# KiCad board Leopold Replacement.kicad_pcb (continued)
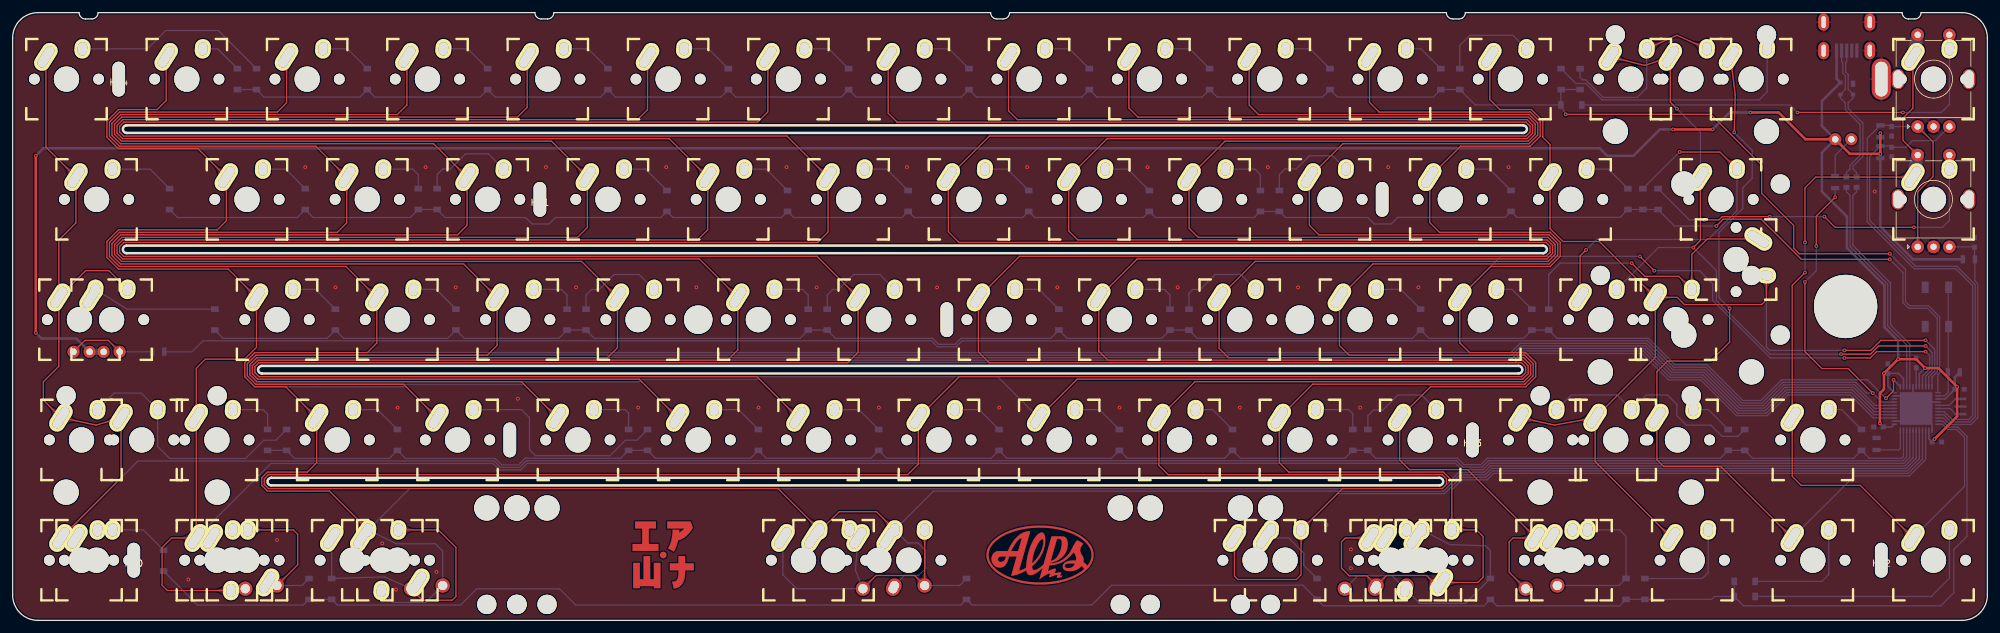
[diagram p0: board, top side]
## Copper pours and planes (outline as drawn; the poured copper is in the pictures) (continued)
Net-(D11-Pad2) on Bottom: 66.08,52.42 66,52.42 65.93,52.42 65.86,52.42 65.79,52.43 65.71,52.44 65.64,52.45 65.57,52.46 65.51,52.47 65.44,52.49 65.37,52.5 65.3,52.52 65.24,52.54 65.17,52.56 65.11,52.58 65.05,52.61 64.98,52.64 64.92,52.66 64.86,52.69 64.8,52.73 64.74,52.76 64.68,52.8 64.63,52.83 64.57,52.87 64.51,52.91 64.46,52.95 64.4,53 64.35,53.04 64.3,53.09 64.25,53.14 64.2,53.19 62.68,52.32 64.2,51.44 64.25,51.49 64.3,51.54 64.35,51.59 64.4,51.63 64.46,51.68 64.51,51.72 64.57,51.76 64.63,51.8 64.68,51.84 64.74,51.87 64.8,51.9 64.86,51.94 64.92,51.97 64.98,51.99 65.05,52.02 65.11,52.05 65.17,52.07 65.24,52.09 65.3,52.11 65.37,52.13 65.44,52.15 65.51,52.16 65.57,52.17 65.64,52.18 65.71,52.19 65.79,52.2 65.86,52.21 65.93,52.21 66,52.21 66.08,52.22
Net-(D12-Pad2) on Bottom: 56.57,33.41 56.5,33.41 56.43,33.41 56.35,33.41 56.28,33.42 56.21,33.43 56.14,33.44 56.07,33.45 56,33.46 55.93,33.48 55.86,33.49 55.8,33.51 55.73,33.53 55.67,33.55 55.6,33.57 55.54,33.6 55.48,33.63 55.42,33.65 55.36,33.68 55.3,33.72 55.24,33.75 55.18,33.79 55.12,33.82 55.06,33.86 55.01,33.9 54.95,33.94 54.9,33.99 54.85,34.03 54.79,34.08 54.74,34.13 54.69,34.18 53.17,33.31 54.69,32.43 54.74,32.48 54.79,32.53 54.85,32.58 54.9,32.62 54.95,32.67 55.01,32.71 55.06,32.75 55.12,32.79 55.18,32.83 55.24,32.86 55.3,32.89 55.36,32.93 55.42,32.96 55.48,32.98 55.54,33.01 55.6,33.04 55.67,33.06 55.73,33.08 55.8,33.1 55.86,33.12 55.93,33.14 56,33.15 56.07,33.16 56.14,33.17 56.21,33.18 56.28,33.19 56.35,33.2 56.43,33.2 56.5,33.2 56.57,33.21
Net-(D13-Pad2) on Bottom: 70.83,90.44 70.76,90.44 70.68,90.44 70.61,90.44 70.54,90.45 70.47,90.46 70.4,90.47 70.33,90.48 70.26,90.49 70.19,90.51 70.12,90.52 70.06,90.54 69.99,90.56 69.93,90.58 69.86,90.6 69.8,90.63 69.74,90.66 69.67,90.68 69.61,90.71 69.55,90.75 69.49,90.78 69.44,90.82 69.38,90.85 69.32,90.89 69.27,90.93 69.21,90.97 69.16,91.02 69.1,91.06 69.05,91.11 69,91.16 68.95,91.21 67.43,90.34 68.95,89.46 69,89.51 69.05,89.56 69.1,89.61 69.16,89.65 69.21,89.7 69.27,89.74 69.32,89.78 69.38,89.82 69.44,89.86 69.49,89.89 69.55,89.92 69.61,89.96 69.67,89.99 69.74,90.01 69.8,90.04 69.86,90.07 69.93,90.09 69.99,90.11 70.06,90.13 70.12,90.15 70.19,90.17 70.26,90.18 70.33,90.19 70.4,90.2 70.47,90.21 70.54,90.22 70.61,90.23 70.68,90.23 70.76,90.23 70.83,90.24
Net-(D14-Pad2) on Bottom: 75.53,73.22 75.58,73.16 75.63,73.11 75.68,73.06 75.72,73 75.77,72.94 75.81,72.89 75.85,72.83 75.89,72.77 75.93,72.71 75.97,72.66 76,72.6 76.03,72.54 76.06,72.47 76.09,72.41 76.12,72.35 76.14,72.29 76.17,72.22 76.19,72.16 76.21,72.09 76.23,72.03 76.24,71.96 76.26,71.9 76.27,71.83 76.28,71.76 76.29,71.69 76.3,71.62 76.3,71.55 76.31,71.48 76.31,71.41 76.31,71.34 78,70.88 77.55,72.58 77.48,72.58 77.4,72.58 77.33,72.58 77.26,72.59 77.19,72.59 77.13,72.6 77.06,72.61 76.99,72.63 76.92,72.64 76.86,72.66 76.79,72.68 76.73,72.7 76.66,72.72 76.6,72.74 76.53,72.77 76.47,72.79 76.41,72.82 76.35,72.85 76.29,72.88 76.23,72.92 76.17,72.95 76.11,72.99 76.05,73.03 76,73.07 75.94,73.12 75.88,73.16 75.83,73.21 75.77,73.26 75.72,73.31 75.67,73.36
Net-(D15-Pad2) on Bottom: 85.09,52.42 85.01,52.42 84.94,52.42 84.87,52.42 84.8,52.43 84.72,52.44 84.65,52.45 84.58,52.46 84.52,52.47 84.45,52.49 84.38,52.5 84.31,52.52 84.25,52.54 84.18,52.56 84.12,52.58 84.06,52.61 83.99,52.64 83.93,52.66 83.87,52.69 83.81,52.73 83.75,52.76 83.69,52.8 83.64,52.83 83.58,52.87 83.52,52.91 83.47,52.95 83.41,53 83.36,53.04 83.31,53.09 83.26,53.14 83.21,53.19 81.69,52.32 83.21,51.44 83.26,51.49 83.31,51.54 83.36,51.59 83.41,51.63 83.47,51.68 83.52,51.72 83.58,51.76 83.64,51.8 83.69,51.84 83.75,51.87 83.81,51.9 83.87,51.94 83.93,51.97 83.99,51.99 84.06,52.02 84.12,52.05 84.18,52.07 84.25,52.09 84.31,52.11 84.38,52.13 84.45,52.15 84.52,52.16 84.58,52.17 84.65,52.18 84.72,52.19 84.8,52.2 84.87,52.21 84.94,52.21 85.01,52.21 85.09,52.22
Net-(D16-Pad2) on Bottom: 75.58,33.41 75.51,33.41 75.44,33.41 75.36,33.41 75.29,33.42 75.22,33.43 75.15,33.44 75.08,33.45 75.01,33.46 74.94,33.48 74.87,33.49 74.81,33.51 74.74,33.53 74.68,33.55 74.61,33.57 74.55,33.6 74.49,33.63 74.43,33.65 74.37,33.68 74.31,33.72 74.25,33.75 74.19,33.79 74.13,33.82 74.07,33.86 74.02,33.9 73.96,33.94 73.91,33.99 73.86,34.03 73.8,34.08 73.75,34.13 73.7,34.18 72.18,33.31 73.7,32.43 73.75,32.48 73.8,32.53 73.86,32.58 73.91,32.62 73.96,32.67 74.02,32.71 74.07,32.75 74.13,32.79 74.19,32.83 74.25,32.86 74.31,32.89 74.37,32.93 74.43,32.96 74.49,32.98 74.55,33.01 74.61,33.04 74.68,33.06 74.74,33.08 74.81,33.1 74.87,33.12 74.94,33.14 75.01,33.15 75.08,33.16 75.15,33.17 75.22,33.18 75.29,33.19 75.36,33.2 75.44,33.2 75.51,33.2 75.58,33.21
Net-(D17-Pad2) on Bottom: 89.84,90.44 89.77,90.44 89.69,90.44 89.62,90.44 89.55,90.45 89.48,90.46 89.41,90.47 89.34,90.48 89.27,90.49 89.2,90.51 89.13,90.52 89.07,90.54 89,90.56 88.94,90.58 88.87,90.6 88.81,90.63 88.75,90.66 88.68,90.68 88.62,90.71 88.56,90.75 88.5,90.78 88.45,90.82 88.39,90.85 88.33,90.89 88.28,90.93 88.22,90.97 88.17,91.02 88.11,91.06 88.06,91.11 88.01,91.16 87.96,91.21 86.44,90.34 87.96,89.46 88.01,89.51 88.06,89.56 88.11,89.61 88.17,89.65 88.22,89.7 88.28,89.74 88.33,89.78 88.39,89.82 88.45,89.86 88.5,89.89 88.56,89.92 88.62,89.96 88.68,89.99 88.75,90.01 88.81,90.04 88.87,90.07 88.94,90.09 89,90.11 89.07,90.13 89.13,90.15 89.2,90.17 89.27,90.18 89.34,90.19 89.41,90.2 89.48,90.21 89.55,90.22 89.62,90.23 89.69,90.23 89.77,90.23 89.84,90.24
Net-(D18-Pad2) on Bottom: 99.35,71.43 99.27,71.43 99.2,71.43 99.13,71.43 99.05,71.44 98.98,71.45 98.91,71.46 98.84,71.47 98.77,71.48 98.7,71.5 98.64,71.51 98.57,71.53 98.51,71.55 98.44,71.57 98.38,71.59 98.31,71.62 98.25,71.65 98.19,71.67 98.13,71.7 98.07,71.74 98.01,71.77 97.95,71.81 97.89,71.84 97.84,71.88 97.78,71.92 97.73,71.96 97.67,72.01 97.62,72.05 97.57,72.1 97.51,72.15 97.46,72.2 95.94,71.33 97.46,70.45 97.51,70.5 97.57,70.55 97.62,70.6 97.67,70.64 97.73,70.69 97.78,70.73 97.84,70.77 97.89,70.81 97.95,70.85 98.01,70.88 98.07,70.91 98.13,70.95 98.19,70.98 98.25,71 98.31,71.03 98.38,71.06 98.44,71.08 98.51,71.1 98.57,71.12 98.64,71.14 98.7,71.16 98.77,71.17 98.84,71.18 98.91,71.19 98.98,71.2 99.05,71.21 99.13,71.22 99.2,71.22 99.27,71.22 99.35,71.23
Net-(D19-Pad2) on Bottom: 99.29,54.21 99.34,54.15 99.39,54.1 99.44,54.05 99.49,53.99 99.53,53.93 99.57,53.88 99.62,53.82 99.66,53.76 99.69,53.7 99.73,53.65 99.76,53.59 99.8,53.53 99.83,53.46 99.85,53.4 99.88,53.34 99.91,53.28 99.93,53.21 99.95,53.15 99.97,53.08 99.99,53.02 100.01,52.95 100.02,52.89 100.03,52.82 100.04,52.75 100.05,52.68 100.06,52.61 100.07,52.54 100.07,52.47 100.07,52.4 100.07,52.33 101.76,51.87 101.31,53.57 101.24,53.57 101.17,53.57 101.1,53.57 101.03,53.58 100.96,53.58 100.89,53.59 100.82,53.6 100.75,53.62 100.69,53.63 100.62,53.65 100.55,53.67 100.49,53.69 100.42,53.71 100.36,53.73 100.3,53.76 100.24,53.78 100.17,53.81 100.11,53.84 100.05,53.87 99.99,53.91 99.93,53.94 99.87,53.98 99.82,54.02 99.76,54.06 99.7,54.11 99.65,54.15 99.59,54.2 99.54,54.25 99.48,54.3 99.43,54.35
Net-(D20-Pad2) on Bottom: 94.59,33.41 94.52,33.41 94.45,33.41 94.37,33.41 94.3,33.42 94.23,33.43 94.16,33.44 94.09,33.45 94.02,33.46 93.95,33.48 93.88,33.49 93.82,33.51 93.75,33.53 93.69,33.55 93.62,33.57 93.56,33.6 93.5,33.63 93.44,33.65 93.38,33.68 93.32,33.72 93.26,33.75 93.2,33.79 93.14,33.82 93.08,33.86 93.03,33.9 92.97,33.94 92.92,33.99 92.87,34.03 92.81,34.08 92.76,34.13 92.71,34.18 91.19,33.31 92.71,32.43 92.76,32.48 92.81,32.53 92.87,32.58 92.92,32.62 92.97,32.67 93.03,32.71 93.08,32.75 93.14,32.79 93.2,32.83 93.26,32.86 93.32,32.89 93.38,32.93 93.44,32.96 93.5,32.98 93.56,33.01 93.62,33.04 93.69,33.06 93.75,33.08 93.82,33.1 93.88,33.12 93.95,33.14 94.02,33.15 94.09,33.16 94.16,33.17 94.23,33.18 94.3,33.19 94.37,33.2 94.45,33.2 94.52,33.2 94.59,33.21
Net-(D21-Pad2) on Bottom: 108.85,90.44 108.78,90.44 108.7,90.44 108.63,90.44 108.56,90.45 108.49,90.46 108.42,90.47 108.35,90.48 108.28,90.49 108.21,90.51 108.14,90.52 108.08,90.54 108.01,90.56 107.95,90.58 107.88,90.6 107.82,90.63 107.76,90.66 107.69,90.68 107.63,90.71 107.57,90.75 107.51,90.78 107.46,90.82 107.4,90.85 107.34,90.89 107.29,90.93 107.23,90.97 107.18,91.02 107.12,91.06 107.07,91.11 107.02,91.16 106.97,91.21 105.45,90.34 106.97,89.46 107.02,89.51 107.07,89.56 107.12,89.61 107.18,89.65 107.23,89.7 107.29,89.74 107.34,89.78 107.4,89.82 107.46,89.86 107.51,89.89 107.57,89.92 107.63,89.96 107.69,89.99 107.76,90.01 107.82,90.04 107.88,90.07 107.95,90.09 108.01,90.11 108.08,90.13 108.14,90.15 108.21,90.17 108.28,90.18 108.35,90.19 108.42,90.2 108.49,90.21 108.56,90.22 108.63,90.23 108.7,90.23 108.78,90.23 108.85,90.24
Net-(D22-Pad2) on Bottom: 118.36,71.43 118.28,71.43 118.21,71.43 118.14,71.43 118.06,71.44 117.99,71.45 117.92,71.46 117.85,71.47 117.78,71.48 117.71,71.5 117.65,71.51 117.58,71.53 117.52,71.55 117.45,71.57 117.39,71.59 117.32,71.62 117.26,71.65 117.2,71.67 117.14,71.7 117.08,71.74 117.02,71.77 116.96,71.81 116.9,71.84 116.85,71.88 116.79,71.92 116.74,71.96 116.68,72.01 116.63,72.05 116.58,72.1 116.52,72.15 116.47,72.2 114.95,71.33 116.47,70.45 116.52,70.5 116.58,70.55 116.63,70.6 116.68,70.64 116.74,70.69 116.79,70.73 116.85,70.77 116.9,70.81 116.96,70.85 117.02,70.88 117.08,70.91 117.14,70.95 117.2,70.98 117.26,71 117.32,71.03 117.39,71.06 117.45,71.08 117.52,71.1 117.58,71.12 117.65,71.14 117.71,71.16 117.78,71.17 117.85,71.18 117.92,71.19 117.99,71.2 118.06,71.21 118.14,71.22 118.21,71.22 118.28,71.22 118.36,71.23
Net-(D23-Pad2) on Bottom: 123.11,52.42 123.03,52.42 122.96,52.42 122.89,52.42 122.82,52.43 122.74,52.44 122.67,52.45 122.6,52.46 122.54,52.47 122.47,52.49 122.4,52.5 122.33,52.52 122.27,52.54 122.2,52.56 122.14,52.58 122.08,52.61 122.01,52.64 121.95,52.66 121.89,52.69 121.83,52.73 121.77,52.76 121.71,52.8 121.66,52.83 121.6,52.87 121.54,52.91 121.49,52.95 121.43,53 121.38,53.04 121.33,53.09 121.28,53.14 121.23,53.19 119.71,52.32 121.23,51.44 121.28,51.49 121.33,51.54 121.38,51.59 121.43,51.63 121.49,51.68 121.54,51.72 121.6,51.76 121.66,51.8 121.71,51.84 121.77,51.87 121.83,51.9 121.89,51.94 121.95,51.97 122.01,51.99 122.08,52.02 122.14,52.05 122.2,52.07 122.27,52.09 122.33,52.11 122.4,52.13 122.47,52.15 122.54,52.16 122.6,52.17 122.67,52.18 122.74,52.19 122.82,52.2 122.89,52.21 122.96,52.21 123.03,52.21 123.11,52.22
Net-(D24-Pad2) on Bottom: 113.6,33.41 113.53,33.41 113.46,33.41 113.38,33.41 113.31,33.42 113.24,33.43 113.17,33.44 113.1,33.45 113.03,33.46 112.96,33.48 112.89,33.49 112.83,33.51 112.76,33.53 112.7,33.55 112.63,33.57 112.57,33.6 112.51,33.63 112.45,33.65 112.39,33.68 112.33,33.72 112.27,33.75 112.21,33.79 112.15,33.82 112.09,33.86 112.04,33.9 111.98,33.94 111.93,33.99 111.88,34.03 111.82,34.08 111.77,34.13 111.72,34.18 110.2,33.31 111.72,32.43 111.77,32.48 111.82,32.53 111.88,32.58 111.93,32.62 111.98,32.67 112.04,32.71 112.09,32.75 112.15,32.79 112.21,32.83 112.27,32.86 112.33,32.89 112.39,32.93 112.45,32.96 112.51,32.98 112.57,33.01 112.63,33.04 112.7,33.06 112.76,33.08 112.83,33.1 112.89,33.12 112.96,33.14 113.03,33.15 113.1,33.16 113.17,33.17 113.24,33.18 113.31,33.19 113.38,33.2 113.46,33.2 113.53,33.2 113.6,33.21
Net-(D25-Pad2) on Bottom: 127.86,90.44 127.79,90.44 127.71,90.44 127.64,90.44 127.57,90.45 127.5,90.46 127.43,90.47 127.36,90.48 127.29,90.49 127.22,90.51 127.15,90.52 127.09,90.54 127.02,90.56 126.96,90.58 126.89,90.6 126.83,90.63 126.77,90.66 126.7,90.68 126.64,90.71 126.58,90.75 126.52,90.78 126.47,90.82 126.41,90.85 126.35,90.89 126.3,90.93 126.24,90.97 126.19,91.02 126.13,91.06 126.08,91.11 126.03,91.16 125.98,91.21 124.46,90.34 125.98,89.46 126.03,89.51 126.08,89.56 126.13,89.61 126.19,89.65 126.24,89.7 126.3,89.74 126.35,89.78 126.41,89.82 126.47,89.86 126.52,89.89 126.58,89.92 126.64,89.96 126.7,89.99 126.77,90.01 126.83,90.04 126.89,90.07 126.96,90.09 127.02,90.11 127.09,90.13 127.15,90.15 127.22,90.17 127.29,90.18 127.36,90.19 127.43,90.2 127.5,90.21 127.57,90.22 127.64,90.23 127.71,90.23 127.79,90.23 127.86,90.24
Net-(D26-Pad2) on Bottom: 137.37,71.43 137.29,71.43 137.22,71.43 137.15,71.43 137.07,71.44 137,71.45 136.93,71.46 136.86,71.47 136.79,71.48 136.72,71.5 136.66,71.51 136.59,71.53 136.53,71.55 136.46,71.57 136.4,71.59 136.33,71.62 136.27,71.65 136.21,71.67 136.15,71.7 136.09,71.74 136.03,71.77 135.97,71.81 135.91,71.84 135.86,71.88 135.8,71.92 135.75,71.96 135.69,72.01 135.64,72.05 135.59,72.1 135.53,72.15 135.48,72.2 133.97,71.33 135.48,70.45 135.53,70.5 135.59,70.55 135.64,70.6 135.69,70.64 135.75,70.69 135.8,70.73 135.86,70.77 135.91,70.81 135.97,70.85 136.03,70.88 136.09,70.91 136.15,70.95 136.21,70.98 136.27,71 136.33,71.03 136.4,71.06 136.46,71.08 136.53,71.1 136.59,71.12 136.66,71.14 136.72,71.16 136.79,71.17 136.86,71.18 136.93,71.19 137,71.2 137.07,71.21 137.15,71.22 137.22,71.22 137.29,71.22 137.37,71.23
Net-(D27-Pad2) on Bottom: 137.31,54.21 137.36,54.15 137.41,54.1 137.46,54.05 137.51,53.99 137.55,53.93 137.59,53.88 137.64,53.82 137.68,53.76 137.71,53.7 137.75,53.65 137.78,53.59 137.82,53.53 137.85,53.46 137.87,53.4 137.9,53.34 137.93,53.28 137.95,53.21 137.97,53.15 137.99,53.08 138.01,53.02 138.03,52.95 138.04,52.89 138.05,52.82 138.06,52.75 138.07,52.68 138.08,52.61 138.09,52.54 138.09,52.47 138.09,52.4 138.09,52.33 139.78,51.87 139.33,53.57 139.26,53.57 139.19,53.57 139.12,53.57 139.05,53.58 138.98,53.58 138.91,53.59 138.84,53.6 138.77,53.62 138.71,53.63 138.64,53.65 138.57,53.67 138.51,53.69 138.44,53.71 138.38,53.73 138.32,53.76 138.26,53.78 138.19,53.81 138.13,53.84 138.07,53.87 138.01,53.91 137.95,53.94 137.89,53.98 137.84,54.02 137.78,54.06 137.72,54.11 137.67,54.15 137.61,54.2 137.56,54.25 137.5,54.3 137.45,54.35
Net-(D28-Pad2) on Bottom: 132.61,33.41 132.54,33.41 132.47,33.41 132.39,33.41 132.32,33.42 132.25,33.43 132.18,33.44 132.11,33.45 132.04,33.46 131.97,33.48 131.9,33.49 131.84,33.51 131.77,33.53 131.71,33.55 131.64,33.57 131.58,33.6 131.52,33.63 131.46,33.65 131.4,33.68 131.34,33.72 131.28,33.75 131.22,33.79 131.16,33.82 131.1,33.86 131.05,33.9 130.99,33.94 130.94,33.99 130.89,34.03 130.83,34.08 130.78,34.13 130.73,34.18 129.21,33.31 130.73,32.43 130.78,32.48 130.83,32.53 130.89,32.58 130.94,32.62 130.99,32.67 131.05,32.71 131.1,32.75 131.16,32.79 131.22,32.83 131.28,32.86 131.34,32.89 131.4,32.93 131.46,32.96 131.52,32.98 131.58,33.01 131.64,33.04 131.71,33.06 131.77,33.08 131.84,33.1 131.9,33.12 131.97,33.14 132.04,33.15 132.11,33.16 132.18,33.17 132.25,33.18 132.32,33.19 132.39,33.2 132.47,33.2 132.54,33.2 132.61,33.21
Net-(D29-Pad2) on Bottom: 146.87,90.44 146.8,90.44 146.72,90.44 146.65,90.44 146.58,90.45 146.51,90.46 146.44,90.47 146.37,90.48 146.3,90.49 146.23,90.51 146.16,90.52 146.1,90.54 146.03,90.56 145.97,90.58 145.9,90.6 145.84,90.63 145.78,90.66 145.71,90.68 145.65,90.71 145.59,90.75 145.53,90.78 145.48,90.82 145.42,90.85 145.36,90.89 145.31,90.93 145.25,90.97 145.2,91.02 145.14,91.06 145.09,91.11 145.04,91.16 144.99,91.21 143.47,90.34 144.99,89.46 145.04,89.51 145.09,89.56 145.14,89.61 145.2,89.65 145.25,89.7 145.31,89.74 145.36,89.78 145.42,89.82 145.48,89.86 145.53,89.89 145.59,89.92 145.65,89.96 145.71,89.99 145.78,90.01 145.84,90.04 145.9,90.07 145.97,90.09 146.03,90.11 146.1,90.13 146.16,90.15 146.23,90.17 146.3,90.18 146.37,90.19 146.44,90.2 146.51,90.21 146.58,90.22 146.65,90.23 146.72,90.23 146.8,90.23 146.87,90.24
Net-(D30-Pad2) on Bottom: 156.38,71.43 156.3,71.43 156.23,71.43 156.16,71.43 156.08,71.44 156.01,71.45 155.94,71.46 155.87,71.47 155.8,71.48 155.73,71.5 155.67,71.51 155.6,71.53 155.54,71.55 155.47,71.57 155.41,71.59 155.34,71.62 155.28,71.65 155.22,71.67 155.16,71.7 155.1,71.74 155.04,71.77 154.98,71.81 154.92,71.84 154.87,71.88 154.81,71.92 154.76,71.96 154.7,72.01 154.65,72.05 154.6,72.1 154.54,72.15 154.49,72.2 152.97,71.33 154.49,70.45 154.54,70.5 154.6,70.55 154.65,70.6 154.7,70.64 154.76,70.69 154.81,70.73 154.87,70.77 154.92,70.81 154.98,70.85 155.04,70.88 155.1,70.91 155.16,70.95 155.22,70.98 155.28,71 155.34,71.03 155.41,71.06 155.47,71.08 155.54,71.1 155.6,71.12 155.67,71.14 155.73,71.16 155.8,71.17 155.87,71.18 155.94,71.19 156.01,71.2 156.08,71.21 156.16,71.22 156.23,71.22 156.3,71.22 156.38,71.23
Net-(D31-Pad2) on Bottom: 161.13,52.42 161.05,52.42 160.98,52.42 160.91,52.42 160.84,52.43 160.76,52.44 160.69,52.45 160.62,52.46 160.56,52.47 160.49,52.49 160.42,52.5 160.35,52.52 160.29,52.54 160.22,52.56 160.16,52.58 160.1,52.61 160.03,52.64 159.97,52.66 159.91,52.69 159.85,52.73 159.79,52.76 159.73,52.8 159.68,52.83 159.62,52.87 159.56,52.91 159.51,52.95 159.45,53 159.4,53.04 159.35,53.09 159.3,53.14 159.25,53.19 157.73,52.32 159.25,51.44 159.3,51.49 159.35,51.54 159.4,51.59 159.45,51.63 159.51,51.68 159.56,51.72 159.62,51.76 159.68,51.8 159.73,51.84 159.79,51.87 159.85,51.9 159.91,51.94 159.97,51.97 160.03,51.99 160.1,52.02 160.16,52.05 160.22,52.07 160.29,52.09 160.35,52.11 160.42,52.13 160.49,52.15 160.56,52.16 160.62,52.17 160.69,52.18 160.76,52.19 160.84,52.2 160.91,52.21 160.98,52.21 161.05,52.21 161.13,52.22
Net-(D32-Pad2) on Bottom: 151.62,33.41 151.55,33.41 151.48,33.41 151.4,33.41 151.33,33.42 151.26,33.43 151.19,33.44 151.12,33.45 151.05,33.46 150.98,33.48 150.91,33.49 150.85,33.51 150.78,33.53 150.72,33.55 150.65,33.57 150.59,33.6 150.53,33.63 150.47,33.65 150.41,33.68 150.35,33.72 150.29,33.75 150.23,33.79 150.17,33.82 150.11,33.86 150.06,33.9 150,33.94 149.95,33.99 149.9,34.03 149.84,34.08 149.79,34.13 149.74,34.18 148.22,33.31 149.74,32.43 149.79,32.48 149.84,32.53 149.9,32.58 149.95,32.62 150,32.67 150.06,32.71 150.11,32.75 150.17,32.79 150.23,32.83 150.29,32.86 150.35,32.89 150.41,32.93 150.47,32.96 150.53,32.98 150.59,33.01 150.65,33.04 150.72,33.06 150.78,33.08 150.85,33.1 150.91,33.12 150.98,33.14 151.05,33.15 151.12,33.16 151.19,33.17 151.26,33.18 151.33,33.19 151.4,33.2 151.48,33.2 151.55,33.2 151.62,33.21
Net-(D33-Pad2) on Bottom: 165.88,90.44 165.81,90.44 165.73,90.44 165.66,90.44 165.59,90.45 165.52,90.46 165.45,90.47 165.38,90.48 165.31,90.49 165.24,90.51 165.17,90.52 165.11,90.54 165.04,90.56 164.98,90.58 164.91,90.6 164.85,90.63 164.79,90.66 164.72,90.68 164.66,90.71 164.6,90.75 164.54,90.78 164.49,90.82 164.43,90.85 164.37,90.89 164.32,90.93 164.26,90.97 164.21,91.02 164.15,91.06 164.1,91.11 164.05,91.16 164,91.21 162.48,90.34 164,89.46 164.05,89.51 164.1,89.56 164.15,89.61 164.21,89.65 164.26,89.7 164.32,89.74 164.37,89.78 164.43,89.82 164.49,89.86 164.54,89.89 164.6,89.92 164.66,89.96 164.72,89.99 164.79,90.01 164.85,90.04 164.91,90.07 164.98,90.09 165.04,90.11 165.11,90.13 165.17,90.15 165.24,90.17 165.31,90.18 165.38,90.19 165.45,90.2 165.52,90.21 165.59,90.22 165.66,90.23 165.73,90.23 165.81,90.23 165.88,90.24
Net-(D34-Pad2) on Bottom: 175.39,71.43 175.31,71.43 175.24,71.43 175.17,71.43 175.09,71.44 175.02,71.45 174.95,71.46 174.88,71.47 174.81,71.48 174.74,71.5 174.68,71.51 174.61,71.53 174.55,71.55 174.48,71.57 174.42,71.59 174.35,71.62 174.29,71.65 174.23,71.67 174.17,71.7 174.11,71.74 174.05,71.77 173.99,71.81 173.93,71.84 173.88,71.88 173.82,71.92 173.77,71.96 173.71,72.01 173.66,72.05 173.61,72.1 173.55,72.15 173.5,72.2 171.99,71.33 173.5,70.45 173.55,70.5 173.61,70.55 173.66,70.6 173.71,70.64 173.77,70.69 173.82,70.73 173.88,70.77 173.93,70.81 173.99,70.85 174.05,70.88 174.11,70.91 174.17,70.95 174.23,70.98 174.29,71 174.35,71.03 174.42,71.06 174.48,71.08 174.55,71.1 174.61,71.12 174.68,71.14 174.74,71.16 174.81,71.17 174.88,71.18 174.95,71.19 175.02,71.2 175.09,71.21 175.17,71.22 175.24,71.22 175.31,71.22 175.39,71.23
Net-(D35-Pad2) on Bottom: 180.14,52.42 180.06,52.42 179.99,52.42 179.92,52.42 179.85,52.43 179.77,52.44 179.7,52.45 179.63,52.46 179.57,52.47 179.5,52.49 179.43,52.5 179.36,52.52 179.3,52.54 179.23,52.56 179.17,52.58 179.11,52.61 179.04,52.64 178.98,52.66 178.92,52.69 178.86,52.73 178.8,52.76 178.74,52.8 178.69,52.83 178.63,52.87 178.57,52.91 178.52,52.95 178.46,53 178.41,53.04 178.36,53.09 178.31,53.14 178.26,53.19 176.74,52.32 178.26,51.44 178.31,51.49 178.36,51.54 178.41,51.59 178.46,51.63 178.52,51.68 178.57,51.72 178.63,51.76 178.69,51.8 178.74,51.84 178.8,51.87 178.86,51.9 178.92,51.94 178.98,51.97 179.04,51.99 179.11,52.02 179.17,52.05 179.23,52.07 179.3,52.09 179.36,52.11 179.43,52.13 179.5,52.15 179.57,52.16 179.63,52.17 179.7,52.18 179.77,52.19 179.85,52.2 179.92,52.21 179.99,52.21 180.06,52.21 180.14,52.22
Net-(D36-Pad2) on Bottom: 170.63,33.41 170.56,33.41 170.49,33.41 170.41,33.41 170.34,33.42 170.27,33.43 170.2,33.44 170.13,33.45 170.06,33.46 169.99,33.48 169.92,33.49 169.86,33.51 169.79,33.53 169.73,33.55 169.66,33.57 169.6,33.6 169.54,33.63 169.48,33.65 169.42,33.68 169.36,33.72 169.3,33.75 169.24,33.79 169.18,33.82 169.12,33.86 169.07,33.9 169.01,33.94 168.96,33.99 168.91,34.03 168.85,34.08 168.8,34.13 168.75,34.18 167.23,33.31 168.75,32.43 168.8,32.48 168.85,32.53 168.91,32.58 168.96,32.62 169.01,32.67 169.07,32.71 169.12,32.75 169.18,32.79 169.24,32.83 169.3,32.86 169.36,32.89 169.42,32.93 169.48,32.96 169.54,32.98 169.6,33.01 169.66,33.04 169.73,33.06 169.79,33.08 169.86,33.1 169.92,33.12 169.99,33.14 170.06,33.15 170.13,33.16 170.2,33.17 170.27,33.18 170.34,33.19 170.41,33.2 170.49,33.2 170.56,33.2 170.63,33.21
Net-(D37-Pad2) on Bottom: 184.89,90.44 184.82,90.44 184.74,90.44 184.67,90.44 184.6,90.45 184.53,90.46 184.46,90.47 184.39,90.48 184.32,90.49 184.25,90.51 184.18,90.52 184.12,90.54 184.05,90.56 183.99,90.58 183.92,90.6 183.86,90.63 183.8,90.66 183.73,90.68 183.67,90.71 183.61,90.75 183.55,90.78 183.5,90.82 183.44,90.85 183.38,90.89 183.33,90.93 183.27,90.97 183.22,91.02 183.16,91.06 183.11,91.11 183.06,91.16 183.01,91.21 181.49,90.34 183.01,89.46 183.06,89.51 183.11,89.56 183.16,89.61 183.22,89.65 183.27,89.7 183.33,89.74 183.38,89.78 183.44,89.82 183.5,89.86 183.55,89.89 183.61,89.92 183.67,89.96 183.73,89.99 183.8,90.01 183.86,90.04 183.92,90.07 183.99,90.09 184.05,90.11 184.12,90.13 184.18,90.15 184.25,90.17 184.32,90.18 184.39,90.19 184.46,90.2 184.53,90.21 184.6,90.22 184.67,90.23 184.74,90.23 184.82,90.23 184.89,90.24
Net-(D38-Pad2) on Bottom: 194.4,71.43 194.32,71.43 194.25,71.43 194.18,71.43 194.1,71.44 194.03,71.45 193.96,71.46 193.89,71.47 193.82,71.48 193.75,71.5 193.69,71.51 193.62,71.53 193.56,71.55 193.49,71.57 193.43,71.59 193.36,71.62 193.3,71.65 193.24,71.67 193.18,71.7 193.12,71.74 193.06,71.77 193,71.81 192.94,71.84 192.89,71.88 192.83,71.92 192.78,71.96 192.72,72.01 192.67,72.05 192.62,72.1 192.56,72.15 192.51,72.2 191,71.33 192.51,70.45 192.56,70.5 192.62,70.55 192.67,70.6 192.72,70.64 192.78,70.69 192.83,70.73 192.89,70.77 192.94,70.81 193,70.85 193.06,70.88 193.12,70.91 193.18,70.95 193.24,70.98 193.3,71 193.36,71.03 193.43,71.06 193.49,71.08 193.56,71.1 193.62,71.12 193.69,71.14 193.75,71.16 193.82,71.17 193.89,71.18 193.96,71.19 194.03,71.2 194.1,71.21 194.18,71.22 194.25,71.22 194.32,71.22 194.4,71.23
Net-(D39-Pad2) on Bottom: 194.34,54.21 194.39,54.15 194.44,54.1 194.49,54.05 194.54,53.99 194.58,53.93 194.62,53.88 194.67,53.82 194.71,53.76 194.74,53.7 194.78,53.65 194.81,53.59 194.85,53.53 194.88,53.46 194.9,53.4 194.93,53.34 194.96,53.28 194.98,53.21 195,53.15 195.02,53.08 195.04,53.02 195.06,52.95 195.07,52.89 195.08,52.82 195.09,52.75 195.1,52.68 195.11,52.61 195.12,52.54 195.12,52.47 195.12,52.4 195.12,52.33 196.81,51.87 196.36,53.57 196.29,53.57 196.22,53.57 196.15,53.57 196.08,53.58 196.01,53.58 195.94,53.59 195.87,53.6 195.8,53.62 195.74,53.63 195.67,53.65 195.6,53.67 195.54,53.69 195.47,53.71 195.41,53.73 195.35,53.76 195.29,53.78 195.22,53.81 195.16,53.84 195.1,53.87 195.04,53.91 194.98,53.94 194.92,53.98 194.87,54.02 194.81,54.06 194.75,54.11 194.7,54.15 194.64,54.2 194.59,54.25 194.53,54.3 194.48,54.35
Net-(D40-Pad2) on Bottom: 189.57,33.41 189.5,33.41 189.43,33.41 189.36,33.41 189.29,33.42 189.23,33.43 189.16,33.44 189.09,33.45 189.03,33.46 188.96,33.48 188.9,33.49 188.84,33.51 188.78,33.53 188.71,33.55 188.65,33.57 188.59,33.6 188.53,33.63 188.47,33.65 188.41,33.68 188.36,33.72 188.3,33.75 188.24,33.79 188.19,33.82 188.13,33.86 188.08,33.9 188.02,33.94 187.97,33.99 187.91,34.03 187.86,34.08 187.81,34.13 187.76,34.18 186.24,33.31 187.76,32.43 187.81,32.48 187.86,32.53 187.91,32.58 187.97,32.62 188.02,32.67 188.08,32.71 188.13,32.75 188.19,32.79 188.24,32.83 188.3,32.86 188.36,32.89 188.41,32.93 188.47,32.96 188.53,32.98 188.59,33.01 188.65,33.04 188.71,33.06 188.78,33.08 188.84,33.1 188.9,33.12 188.96,33.14 189.03,33.15 189.09,33.16 189.16,33.17 189.23,33.18 189.29,33.19 189.36,33.2 189.43,33.2 189.5,33.2 189.57,33.21
